# Altium PCB Tag201_GangProgrammerRev1.PcbDoc (part 2 of 7)
Units mil, origin at the board's own origin, x right, y up, seen from the top; angles counter-clockwise.
Board outline 10400 x 10885 mil, 4 copper layers (Top Layer, VCC, GND, Bottom Layer), stack 67.2 mil thick; 874 components, 385 nets, 2980 pads, 650 vias.
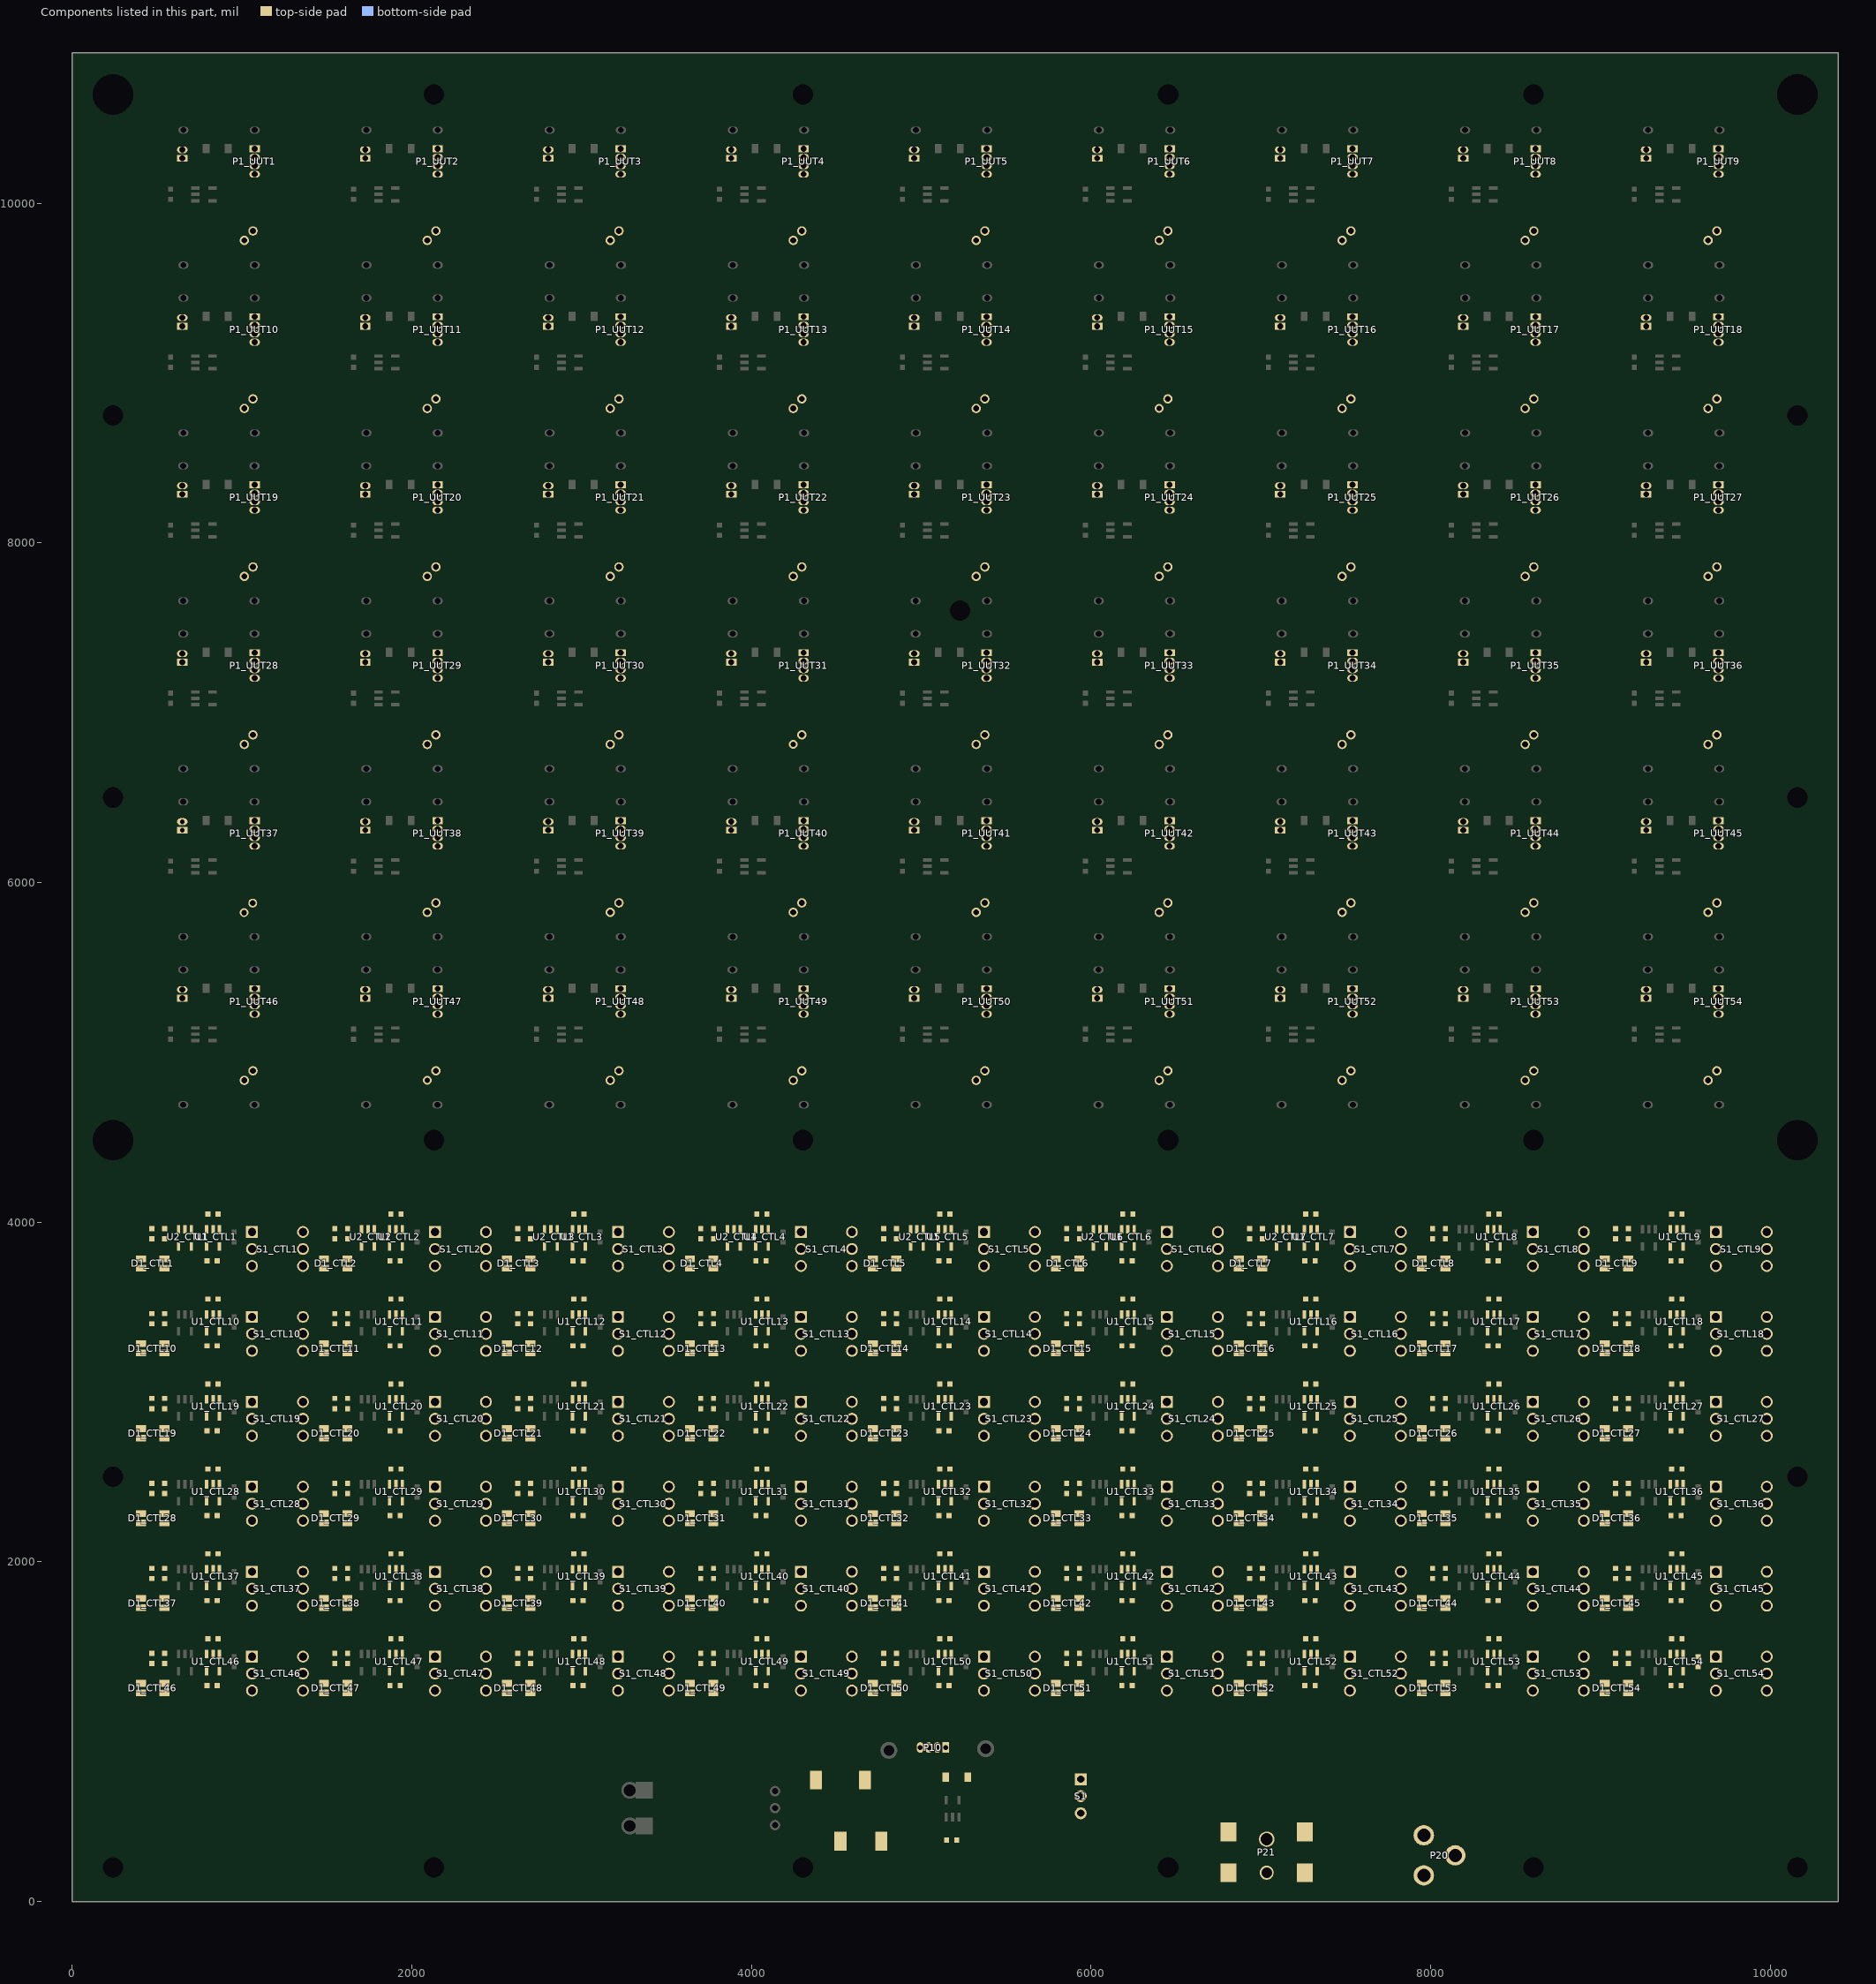
[diagram p4: the components of this part, seen from the top]

## Components (designator, comment, footprint, x,y, rotation, side; value= is the part's Value field where it differs from the comment) (continued)
C3_CTL54 "0.1uf" 0603_072205 9574,1412 r270 top (schematic designator C3)
C10 "4.7uf 25V" "CAP C CASE_041412" 4644,355 r0 top
C11 "47uf 10V" "CAP D CASE_030205" 4524,715 r180 top
C12 "2.2uf 10V Tant" "CAP A CASE_030205" 5209,732 r180 top
C13 "0.1uf" 0603_072205 5179,362 r0 top
D1_CTL1 "LTST-C155" "LED 5MM X 2.5MM_061112" 474,3757 r0 top (schematic designator D1)
D1_CTL2 "LTST-C155" "LED 5MM X 2.5MM_061112" 1551.5,3757 r0 top (schematic designator D1)
D1_CTL3 "LTST-C155" "LED 5MM X 2.5MM_061112" 2629,3757 r0 top (schematic designator D1)
D1_CTL4 "LTST-C155" "LED 5MM X 2.5MM_061112" 3706.5,3757 r0 top (schematic designator D1)
D1_CTL5 "LTST-C155" "LED 5MM X 2.5MM_061112" 4784,3757 r0 top (schematic designator D1)
D1_CTL6 "LTST-C155" "LED 5MM X 2.5MM_061112" 5861.5,3757 r0 top (schematic designator D1)
D1_CTL7 "LTST-C155" "LED 5MM X 2.5MM_061112" 6939,3757 r0 top (schematic designator D1)
D1_CTL8 "LTST-C155" "LED 5MM X 2.5MM_061112" 8016.5,3757 r0 top (schematic designator D1)
D1_CTL9 "LTST-C155" "LED 5MM X 2.5MM_061112" 9094,3757 r0 top (schematic designator D1)
D1_CTL10 "LTST-C155" "LED 5MM X 2.5MM_061112" 474,3257 r0 top (schematic designator D1)
D1_CTL11 "LTST-C155" "LED 5MM X 2.5MM_061112" 1551.5,3257 r0 top (schematic designator D1)
D1_CTL12 "LTST-C155" "LED 5MM X 2.5MM_061112" 2629,3257 r0 top (schematic designator D1)
D1_CTL13 "LTST-C155" "LED 5MM X 2.5MM_061112" 3706.5,3257 r0 top (schematic designator D1)
D1_CTL14 "LTST-C155" "LED 5MM X 2.5MM_061112" 4784,3257 r0 top (schematic designator D1)
D1_CTL15 "LTST-C155" "LED 5MM X 2.5MM_061112" 5861.5,3257 r0 top (schematic designator D1)
D1_CTL16 "LTST-C155" "LED 5MM X 2.5MM_061112" 6939,3257 r0 top (schematic designator D1)
D1_CTL17 "LTST-C155" "LED 5MM X 2.5MM_061112" 8016.5,3257 r0 top (schematic designator D1)
D1_CTL18 "LTST-C155" "LED 5MM X 2.5MM_061112" 9094,3257 r0 top (schematic designator D1)
D1_CTL19 "LTST-C155" "LED 5MM X 2.5MM_061112" 474,2757 r0 top (schematic designator D1)
D1_CTL20 "LTST-C155" "LED 5MM X 2.5MM_061112" 1551.5,2757 r0 top (schematic designator D1)
D1_CTL21 "LTST-C155" "LED 5MM X 2.5MM_061112" 2629,2757 r0 top (schematic designator D1)
D1_CTL22 "LTST-C155" "LED 5MM X 2.5MM_061112" 3706.5,2757 r0 top (schematic designator D1)
D1_CTL23 "LTST-C155" "LED 5MM X 2.5MM_061112" 4784,2757 r0 top (schematic designator D1)
D1_CTL24 "LTST-C155" "LED 5MM X 2.5MM_061112" 5861.5,2757 r0 top (schematic designator D1)
D1_CTL25 "LTST-C155" "LED 5MM X 2.5MM_061112" 6939,2757 r0 top (schematic designator D1)
D1_CTL26 "LTST-C155" "LED 5MM X 2.5MM_061112" 8016.5,2757 r0 top (schematic designator D1)
D1_CTL27 "LTST-C155" "LED 5MM X 2.5MM_061112" 9094,2757 r0 top (schematic designator D1)
D1_CTL28 "LTST-C155" "LED 5MM X 2.5MM_061112" 474,2257 r0 top (schematic designator D1)
D1_CTL29 "LTST-C155" "LED 5MM X 2.5MM_061112" 1551.5,2257 r0 top (schematic designator D1)
D1_CTL30 "LTST-C155" "LED 5MM X 2.5MM_061112" 2629,2257 r0 top (schematic designator D1)
D1_CTL31 "LTST-C155" "LED 5MM X 2.5MM_061112" 3706.5,2257 r0 top (schematic designator D1)
D1_CTL32 "LTST-C155" "LED 5MM X 2.5MM_061112" 4784,2257 r0 top (schematic designator D1)
D1_CTL33 "LTST-C155" "LED 5MM X 2.5MM_061112" 5861.5,2257 r0 top (schematic designator D1)
D1_CTL34 "LTST-C155" "LED 5MM X 2.5MM_061112" 6939,2257 r0 top (schematic designator D1)
D1_CTL35 "LTST-C155" "LED 5MM X 2.5MM_061112" 8016.5,2257 r0 top (schematic designator D1)
D1_CTL36 "LTST-C155" "LED 5MM X 2.5MM_061112" 9094,2257 r0 top (schematic designator D1)
D1_CTL37 "LTST-C155" "LED 5MM X 2.5MM_061112" 474,1757 r0 top (schematic designator D1)
D1_CTL38 "LTST-C155" "LED 5MM X 2.5MM_061112" 1551.5,1757 r0 top (schematic designator D1)
D1_CTL39 "LTST-C155" "LED 5MM X 2.5MM_061112" 2629,1757 r0 top (schematic designator D1)
D1_CTL40 "LTST-C155" "LED 5MM X 2.5MM_061112" 3706.5,1757 r0 top (schematic designator D1)
D1_CTL41 "LTST-C155" "LED 5MM X 2.5MM_061112" 4784,1757 r0 top (schematic designator D1)
D1_CTL42 "LTST-C155" "LED 5MM X 2.5MM_061112" 5861.5,1757 r0 top (schematic designator D1)
D1_CTL43 "LTST-C155" "LED 5MM X 2.5MM_061112" 6939,1757 r0 top (schematic designator D1)
D1_CTL44 "LTST-C155" "LED 5MM X 2.5MM_061112" 8016.5,1757 r0 top (schematic designator D1)
D1_CTL45 "LTST-C155" "LED 5MM X 2.5MM_061112" 9094,1757 r0 top (schematic designator D1)
D1_CTL46 "LTST-C155" "LED 5MM X 2.5MM_061112" 474,1257 r0 top (schematic designator D1)
D1_CTL47 "LTST-C155" "LED 5MM X 2.5MM_061112" 1551.5,1257 r0 top (schematic designator D1)
D1_CTL48 "LTST-C155" "LED 5MM X 2.5MM_061112" 2629,1257 r0 top (schematic designator D1)
D1_CTL49 "LTST-C155" "LED 5MM X 2.5MM_061112" 3706.5,1257 r0 top (schematic designator D1)
D1_CTL50 "LTST-C155" "LED 5MM X 2.5MM_061112" 4784,1257 r0 top (schematic designator D1)
D1_CTL51 "LTST-C155" "LED 5MM X 2.5MM_061112" 5861.5,1257 r0 top (schematic designator D1)
D1_CTL52 "LTST-C155" "LED 5MM X 2.5MM_061112" 6939,1257 r0 top (schematic designator D1)
D1_CTL53 "LTST-C155" "LED 5MM X 2.5MM_061112" 8016.5,1257 r0 top (schematic designator D1)
D1_CTL54 "LTST-C155" "LED 5MM X 2.5MM_061112" 9094,1257 r0 top (schematic designator D1)
J1_UUT1 "POGOPIN" TestPoint52x32#1 1064.5,9836 r270 top (schematic designator TP3)
J1_UUT2 "POGOPIN" TestPoint52x32#1 2142,9836 r270 top (schematic designator TP3)
J1_UUT3 "POGOPIN" TestPoint52x32#1 3219.5,9836 r270 top (schematic designator TP3)
J1_UUT4 "POGOPIN" TestPoint52x32#1 4297,9836 r270 top (schematic designator TP3)
J1_UUT5 "POGOPIN" TestPoint52x32#1 5374.5,9836 r270 top (schematic designator TP3)
J1_UUT6 "POGOPIN" TestPoint52x32#1 6452,9836 r270 top (schematic designator TP3)
J1_UUT7 "POGOPIN" TestPoint52x32#1 7529.5,9836 r270 top (schematic designator TP3)
J1_UUT8 "POGOPIN" TestPoint52x32#1 8607,9836 r270 top (schematic designator TP3)
J1_UUT9 "POGOPIN" TestPoint52x32#1 9684.5,9836 r270 top (schematic designator TP3)
J1_UUT10 "POGOPIN" TestPoint52x32#1 1064.5,8847 r270 top (schematic designator TP3)
J1_UUT11 "POGOPIN" TestPoint52x32#1 2142,8847 r270 top (schematic designator TP3)
J1_UUT12 "POGOPIN" TestPoint52x32#1 3219.5,8847 r270 top (schematic designator TP3)
J1_UUT13 "POGOPIN" TestPoint52x32#1 4297,8847 r270 top (schematic designator TP3)
J1_UUT14 "POGOPIN" TestPoint52x32#1 5374.5,8847 r270 top (schematic designator TP3)
J1_UUT15 "POGOPIN" TestPoint52x32#1 6452,8847 r270 top (schematic designator TP3)
J1_UUT16 "POGOPIN" TestPoint52x32#1 7529.5,8847 r270 top (schematic designator TP3)
J1_UUT17 "POGOPIN" TestPoint52x32#1 8607,8847 r270 top (schematic designator TP3)
J1_UUT18 "POGOPIN" TestPoint52x32#1 9684.5,8847 r270 top (schematic designator TP3)
J1_UUT19 "POGOPIN" TestPoint52x32#1 1064.5,7858 r270 top (schematic designator TP3)
J1_UUT20 "POGOPIN" TestPoint52x32#1 2142,7858 r270 top (schematic designator TP3)
J1_UUT21 "POGOPIN" TestPoint52x32#1 3219.5,7858 r270 top (schematic designator TP3)
J1_UUT22 "POGOPIN" TestPoint52x32#1 4297,7858 r270 top (schematic designator TP3)
J1_UUT23 "POGOPIN" TestPoint52x32#1 5374.5,7858 r270 top (schematic designator TP3)
J1_UUT24 "POGOPIN" TestPoint52x32#1 6452,7858 r270 top (schematic designator TP3)
J1_UUT25 "POGOPIN" TestPoint52x32#1 7529.5,7858 r270 top (schematic designator TP3)
J1_UUT26 "POGOPIN" TestPoint52x32#1 8607,7858 r270 top (schematic designator TP3)
J1_UUT27 "POGOPIN" TestPoint52x32#1 9684.5,7858 r270 top (schematic designator TP3)
J1_UUT28 "POGOPIN" TestPoint52x32#1 1064.5,6869 r270 top (schematic designator TP3)
J1_UUT29 "POGOPIN" TestPoint52x32#1 2142,6869 r270 top (schematic designator TP3)
J1_UUT30 "POGOPIN" TestPoint52x32#1 3219.5,6869 r270 top (schematic designator TP3)
J1_UUT31 "POGOPIN" TestPoint52x32#1 4297,6869 r270 top (schematic designator TP3)
J1_UUT32 "POGOPIN" TestPoint52x32#1 5374.5,6869 r270 top (schematic designator TP3)
J1_UUT33 "POGOPIN" TestPoint52x32#1 6452,6869 r270 top (schematic designator TP3)
J1_UUT34 "POGOPIN" TestPoint52x32#1 7529.5,6869 r270 top (schematic designator TP3)
J1_UUT35 "POGOPIN" TestPoint52x32#1 8607,6869 r270 top (schematic designator TP3)
J1_UUT36 "POGOPIN" TestPoint52x32#1 9684.5,6869 r270 top (schematic designator TP3)
J1_UUT37 "POGOPIN" TestPoint52x32#2 1063,5878.5 r270 top (schematic designator TP3)
J1_UUT38 "POGOPIN" TestPoint52x32#1 2142,5880 r270 top (schematic designator TP3)
J1_UUT39 "POGOPIN" TestPoint52x32#1 3219.5,5880 r270 top (schematic designator TP3)
J1_UUT40 "POGOPIN" TestPoint52x32#1 4297,5880 r270 top (schematic designator TP3)
J1_UUT41 "POGOPIN" TestPoint52x32#1 5374.5,5880 r270 top (schematic designator TP3)
J1_UUT42 "POGOPIN" TestPoint52x32#1 6452,5880 r270 top (schematic designator TP3)
J1_UUT43 "POGOPIN" TestPoint52x32#1 7529.5,5880 r270 top (schematic designator TP3)
J1_UUT44 "POGOPIN" TestPoint52x32#1 8607,5880 r270 top (schematic designator TP3)
J1_UUT45 "POGOPIN" TestPoint52x32#1 9684.5,5880 r270 top (schematic designator TP3)
J1_UUT46 "POGOPIN" TestPoint52x32#1 1064.5,4891 r270 top (schematic designator TP3)
J1_UUT47 "POGOPIN" TestPoint52x32#1 2142,4891 r270 top (schematic designator TP3)
J1_UUT48 "POGOPIN" TestPoint52x32#1 3219.5,4891 r270 top (schematic designator TP3)
J1_UUT49 "POGOPIN" TestPoint52x32#1 4297,4891 r270 top (schematic designator TP3)
J1_UUT50 "POGOPIN" TestPoint52x32#1 5374.5,4891 r270 top (schematic designator TP3)
J1_UUT51 "POGOPIN" TestPoint52x32#1 6452,4891 r270 top (schematic designator TP3)
J1_UUT52 "POGOPIN" TestPoint52x32#1 7529.5,4891 r270 top (schematic designator TP3)
J1_UUT53 "POGOPIN" TestPoint52x32#1 8607,4891 r270 top (schematic designator TP3)
J1_UUT54 "POGOPIN" TestPoint52x32#1 9684.5,4891 r270 top (schematic designator TP3)
J2_UUT1 "POGOPIN" TestPoint52x32#1 1013.5,9780 r270 top (schematic designator TP2)
J2_UUT2 "POGOPIN" TestPoint52x32#1 2091,9780 r270 top (schematic designator TP2)
J2_UUT3 "POGOPIN" TestPoint52x32#1 3168.5,9780 r270 top (schematic designator TP2)
J2_UUT4 "POGOPIN" TestPoint52x32#1 4246,9780 r270 top (schematic designator TP2)
J2_UUT5 "POGOPIN" TestPoint52x32#1 5323.5,9780 r270 top (schematic designator TP2)
J2_UUT6 "POGOPIN" TestPoint52x32#1 6401,9780 r270 top (schematic designator TP2)
J2_UUT7 "POGOPIN" TestPoint52x32#1 7478.5,9780 r270 top (schematic designator TP2)
J2_UUT8 "POGOPIN" TestPoint52x32#1 8556,9780 r270 top (schematic designator TP2)
J2_UUT9 "POGOPIN" TestPoint52x32#1 9633.5,9780 r270 top (schematic designator TP2)
J2_UUT10 "POGOPIN" TestPoint52x32#1 1013.5,8791 r270 top (schematic designator TP2)
J2_UUT11 "POGOPIN" TestPoint52x32#1 2091,8791 r270 top (schematic designator TP2)
J2_UUT12 "POGOPIN" TestPoint52x32#1 3168.5,8791 r270 top (schematic designator TP2)
J2_UUT13 "POGOPIN" TestPoint52x32#1 4246,8791 r270 top (schematic designator TP2)
J2_UUT14 "POGOPIN" TestPoint52x32#1 5323.5,8791 r270 top (schematic designator TP2)
J2_UUT15 "POGOPIN" TestPoint52x32#2 6401,8791 r90 top (schematic designator J2)
J2_UUT16 "POGOPIN" TestPoint52x32#1 7478.5,8791 r270 top (schematic designator TP2)
J2_UUT17 "POGOPIN" TestPoint52x32#1 8556,8791 r270 top (schematic designator TP2)
J2_UUT18 "POGOPIN" TestPoint52x32#1 9633.5,8791 r270 top (schematic designator TP2)
J2_UUT19 "POGOPIN" TestPoint52x32#1 1013.5,7802 r270 top (schematic designator TP2)
J2_UUT20 "POGOPIN" TestPoint52x32#1 2091,7802 r270 top (schematic designator TP2)
J2_UUT21 "POGOPIN" TestPoint52x32#1 3168.5,7802 r270 top (schematic designator TP2)
J2_UUT22 "POGOPIN" TestPoint52x32#1 4246,7802 r270 top (schematic designator TP2)
J2_UUT23 "POGOPIN" TestPoint52x32#1 5323.5,7802 r270 top (schematic designator TP2)
J2_UUT24 "POGOPIN" TestPoint52x32#1 6401,7802 r270 top (schematic designator TP2)
J2_UUT25 "POGOPIN" TestPoint52x32#1 7478.5,7802 r270 top (schematic designator TP2)
J2_UUT26 "POGOPIN" TestPoint52x32#1 8556,7802 r270 top (schematic designator TP2)
J2_UUT27 "POGOPIN" TestPoint52x32#1 9633.5,7802 r270 top (schematic designator TP2)
J2_UUT28 "POGOPIN" TestPoint52x32#1 1013.5,6813 r270 top (schematic designator TP2)
J2_UUT29 "POGOPIN" TestPoint52x32#1 2091,6813 r270 top (schematic designator TP2)
J2_UUT30 "POGOPIN" TestPoint52x32#1 3168.5,6813 r270 top (schematic designator TP2)
J2_UUT31 "POGOPIN" TestPoint52x32#2 4246,6813 r90 top (schematic designator J2)
J2_UUT32 "POGOPIN" TestPoint52x32#1 5323.5,6813 r270 top (schematic designator TP2)
J2_UUT33 "POGOPIN" TestPoint52x32#1 6401,6813 r270 top (schematic designator TP2)
J2_UUT34 "POGOPIN" TestPoint52x32#1 7478.5,6813 r270 top (schematic designator TP2)
J2_UUT35 "POGOPIN" TestPoint52x32#1 8556,6813 r270 top (schematic designator TP2)
J2_UUT36 "POGOPIN" TestPoint52x32#1 9633.5,6813 r270 top (schematic designator TP2)
J2_UUT37 "POGOPIN" TestPoint52x32#2 1012,5822.5 r270 top (schematic designator TP2)
J2_UUT38 "POGOPIN" TestPoint52x32#1 2091,5824 r270 top (schematic designator TP2)
J2_UUT39 "POGOPIN" TestPoint52x32#1 3168.5,5824 r270 top (schematic designator TP2)
J2_UUT40 "POGOPIN" TestPoint52x32#1 4246,5824 r270 top (schematic designator TP2)
J2_UUT41 "POGOPIN" TestPoint52x32#1 5323.5,5824 r270 top (schematic designator TP2)
J2_UUT42 "POGOPIN" TestPoint52x32#1 6401,5824 r270 top (schematic designator TP2)
J2_UUT43 "POGOPIN" TestPoint52x32#1 7478.5,5824 r270 top (schematic designator TP2)
J2_UUT44 "POGOPIN" TestPoint52x32#1 8556,5824 r270 top (schematic designator TP2)
J2_UUT45 "POGOPIN" TestPoint52x32#1 9633.5,5824 r270 top (schematic designator TP2)
J2_UUT46 "POGOPIN" TestPoint52x32#1 1013.5,4835 r270 top (schematic designator TP2)
J2_UUT47 "POGOPIN" TestPoint52x32#2 2091,4835 r90 top (schematic designator J2)
J2_UUT48 "POGOPIN" TestPoint52x32#1 3168.59,4835.02 r270 top (schematic designator TP2)
J2_UUT49 "POGOPIN" TestPoint52x32#1 4246,4835 r270 top (schematic designator TP2)
J2_UUT50 "POGOPIN" TestPoint52x32#1 5323.5,4835 r270 top (schematic designator TP2)
J2_UUT51 "POGOPIN" TestPoint52x32#1 6401,4835 r270 top (schematic designator TP2)
J2_UUT52 "POGOPIN" TestPoint52x32#1 7478.5,4835 r270 top (schematic designator TP2)
J2_UUT53 "POGOPIN" TestPoint52x32#1 8556,4835 r270 top (schematic designator TP2)
J2_UUT54 "POGOPIN" TestPoint52x32#1 9633.5,4835 r270 top (schematic designator TP2)
P1_UUT1 "1x4 50mil" "1X4 HEADER_50mil_071411"#1 1074.5,10320 r270 top (schematic designator P1)
P1_UUT2 "1x4 50mil" "1X4 HEADER_50mil_071411"#1 2152,10320 r270 top (schematic designator P1)
P1_UUT3 "1x4 50mil" "1X4 HEADER_50mil_071411"#1 3229.5,10320 r270 top (schematic designator P1)
P1_UUT4 "1x4 50mil" "1X4 HEADER_50mil_071411"#1 4307,10320 r270 top (schematic designator P1)
P1_UUT5 "1x4 50mil" "1X4 HEADER_50mil_071411"#1 5384.5,10320 r270 top (schematic designator P1)
P1_UUT6 "1x4 50mil" "1X4 HEADER_50mil_071411"#1 6462,10320 r270 top (schematic designator P1)
P1_UUT7 "1x4 50mil" "1X4 HEADER_50mil_071411"#1 7539.5,10320 r270 top (schematic designator P1)
P1_UUT8 "1x4 50mil" "1X4 HEADER_50mil_071411"#1 8617,10320 r270 top (schematic designator P1)
P1_UUT9 "1x4 50mil" "1X4 HEADER_50mil_071411"#1 9694.5,10320 r270 top (schematic designator P1)
P1_UUT10 "1x4 50mil" "1X4 HEADER_50mil_071411"#1 1074.5,9331 r270 top (schematic designator P1)
P1_UUT11 "1x4 50mil" "1X4 HEADER_50mil_071411"#1 2152,9331 r270 top (schematic designator P1)
P1_UUT12 "1x4 50mil" "1X4 HEADER_50mil_071411"#1 3229.5,9331 r270 top (schematic designator P1)
P1_UUT13 "1x4 50mil" "1X4 HEADER_50mil_071411"#1 4307,9331 r270 top (schematic designator P1)
P1_UUT14 "1x4 50mil" "1X4 HEADER_50mil_071411"#1 5384.5,9331 r270 top (schematic designator P1)
P1_UUT15 "1x4 50mil" "1X4 HEADER_50mil_071411"#1 6462,9331 r270 top (schematic designator P1)
P1_UUT16 "1x4 50mil" "1X4 HEADER_50mil_071411"#1 7539.5,9331 r270 top (schematic designator P1)
P1_UUT17 "1x4 50mil" "1X4 HEADER_50mil_071411"#1 8617,9331 r270 top (schematic designator P1)
P1_UUT18 "1x4 50mil" "1X4 HEADER_50mil_071411"#1 9694.5,9331 r270 top (schematic designator P1)
P1_UUT19 "1x4 50mil" "1X4 HEADER_50mil_071411"#1 1074.5,8342 r270 top (schematic designator P1)
P1_UUT20 "1x4 50mil" "1X4 HEADER_50mil_071411"#1 2152,8342 r270 top (schematic designator P1)
P1_UUT21 "1x4 50mil" "1X4 HEADER_50mil_071411"#1 3229.5,8342 r270 top (schematic designator P1)
P1_UUT22 "1x4 50mil" "1X4 HEADER_50mil_071411"#1 4307,8342 r270 top (schematic designator P1)
P1_UUT23 "1x4 50mil" "1X4 HEADER_50mil_071411"#1 5384.5,8342 r270 top (schematic designator P1)
P1_UUT24 "1x4 50mil" "1X4 HEADER_50mil_071411"#1 6462,8342 r270 top (schematic designator P1)
P1_UUT25 "1x4 50mil" "1X4 HEADER_50mil_071411"#1 7539.5,8342 r270 top (schematic designator P1)
P1_UUT26 "1x4 50mil" "1X4 HEADER_50mil_071411"#1 8617,8342 r270 top (schematic designator P1)
P1_UUT27 "1x4 50mil" "1X4 HEADER_50mil_071411"#1 9694.5,8342 r270 top (schematic designator P1)
P1_UUT28 "1x4 50mil" "1X4 HEADER_50mil_071411"#1 1074.5,7353 r270 top (schematic designator P1)
P1_UUT29 "1x4 50mil" "1X4 HEADER_50mil_071411"#1 2152,7353 r270 top (schematic designator P1)
P1_UUT30 "1x4 50mil" "1X4 HEADER_50mil_071411"#1 3229.5,7353 r270 top (schematic designator P1)
P1_UUT31 "1x4 50mil" "1X4 HEADER_50mil_071411"#1 4307,7353 r270 top (schematic designator P1)
P1_UUT32 "1x4 50mil" "1X4 HEADER_50mil_071411"#1 5384.5,7353 r270 top (schematic designator P1)
P1_UUT33 "1x4 50mil" "1X4 HEADER_50mil_071411"#1 6462,7353 r270 top (schematic designator P1)
P1_UUT34 "1x4 50mil" "1X4 HEADER_50mil_071411"#1 7539.5,7353 r270 top (schematic designator P1)
P1_UUT35 "1x4 50mil" "1X4 HEADER_50mil_071411"#1 8617,7353 r270 top (schematic designator P1)
P1_UUT36 "1x4 50mil" "1X4 HEADER_50mil_071411"#1 9694.5,7353 r270 top (schematic designator P1)
P1_UUT37 "1x4 50mil" "1X4 HEADER_50mil_071411"#1 1074.5,6364 r270 top (schematic designator P1)
P1_UUT38 "1x4 50mil" "1X4 HEADER_50mil_071411"#1 2152,6364 r270 top (schematic designator P1)
P1_UUT39 "1x4 50mil" "1X4 HEADER_50mil_071411"#1 3229.5,6364 r270 top (schematic designator P1)
P1_UUT40 "1x4 50mil" "1X4 HEADER_50mil_071411"#1 4307,6364 r270 top (schematic designator P1)
P1_UUT41 "1x4 50mil" "1X4 HEADER_50mil_071411"#1 5384.5,6364 r270 top (schematic designator P1)
P1_UUT42 "1x4 50mil" "1X4 HEADER_50mil_071411"#1 6462,6364 r270 top (schematic designator P1)
P1_UUT43 "1x4 50mil" "1X4 HEADER_50mil_071411"#1 7539.5,6364 r270 top (schematic designator P1)
P1_UUT44 "1x4 50mil" "1X4 HEADER_50mil_071411"#1 8617,6364 r270 top (schematic designator P1)
P1_UUT45 "1x4 50mil" "1X4 HEADER_50mil_071411"#1 9694.5,6364 r270 top (schematic designator P1)
P1_UUT46 "1x4 50mil" "1X4 HEADER_50mil_071411"#1 1074.5,5375 r270 top (schematic designator P1)
P1_UUT47 "1x4 50mil" "1X4 HEADER_50mil_071411"#1 2152,5375 r270 top (schematic designator P1)
P1_UUT48 "1x4 50mil" "1X4 HEADER_50mil_071411"#1 3229.5,5375 r270 top (schematic designator P1)
P1_UUT49 "1x4 50mil" "1X4 HEADER_50mil_071411"#1 4307,5375 r270 top (schematic designator P1)
P1_UUT50 "1x4 50mil" "1X4 HEADER_50mil_071411"#1 5384.5,5375 r270 top (schematic designator P1)
P1_UUT51 "1x4 50mil" "1X4 HEADER_50mil_071411"#1 6462,5375 r270 top (schematic designator P1)
P1_UUT52 "1x4 50mil" "1X4 HEADER_50mil_071411"#1 7539.5,5375 r270 top (schematic designator P1)
P1_UUT53 "1x4 50mil" "1X4 HEADER_50mil_071411"#1 8617,5375 r270 top (schematic designator P1)
P1_UUT54 "1x4 50mil" "1X4 HEADER_50mil_071411"#1 9694.5,5375 r270 top (schematic designator P1)
P2_UUT1 "1x2 50mil" "1X2 HEADER_50MIL_081611"#1 648.5,10264 r90 top (schematic designator P2)
P2_UUT2 "1x2 50mil" "1X2 HEADER_50MIL_081611"#1 1726,10264 r90 top (schematic designator P2)
P2_UUT3 "1x2 50mil" "1X2 HEADER_50MIL_081611"#1 2803.5,10264 r90 top (schematic designator P2)
P2_UUT4 "1x2 50mil" "1X2 HEADER_50MIL_081611"#1 3881,10264 r90 top (schematic designator P2)
P2_UUT5 "1x2 50mil" "1X2 HEADER_50MIL_081611"#1 4958.5,10264 r90 top (schematic designator P2)
P2_UUT6 "1x2 50mil" "1X2 HEADER_50MIL_081611"#1 6036,10264 r90 top (schematic designator P2)
P2_UUT7 "1x2 50mil" "1X2 HEADER_50MIL_081611"#1 7113.5,10264 r90 top (schematic designator P2)
P2_UUT8 "1x2 50mil" "1X2 HEADER_50MIL_081611"#1 8191,10264 r90 top (schematic designator P2)
P2_UUT9 "1x2 50mil" "1X2 HEADER_50MIL_081611"#1 9268.5,10264 r90 top (schematic designator P2)
P2_UUT10 "1x2 50mil" "1X2 HEADER_50MIL_081611"#1 648.5,9275 r90 top (schematic designator P2)
P2_UUT11 "1x2 50mil" "1X2 HEADER_50MIL_081611"#1 1726,9275 r90 top (schematic designator P2)